# Altium PCB Sayma_AMC_RFSoC.PcbDoc (part 6 of 11)
Units mm, origin at the board's own origin, x right, y up, seen from the top; angles counter-clockwise.
Board outline 180.55 x 148.45 mm, 18 copper layers (Layer 1, Layer 2, Layer 3, Layer 4, Layer 5, Layer 6, Layer 7, Layer 8, Layer 9, Layer 10, Layer 11, Layer 12, Layer 13, Layer 14, Layer 15, Layer 16, Layer 17, Layer 18), stack 4.915 mm thick; 790 components, 796 nets, 6854 pads, 16 vias.
Unrouted connection lines stored in the file: 2880.
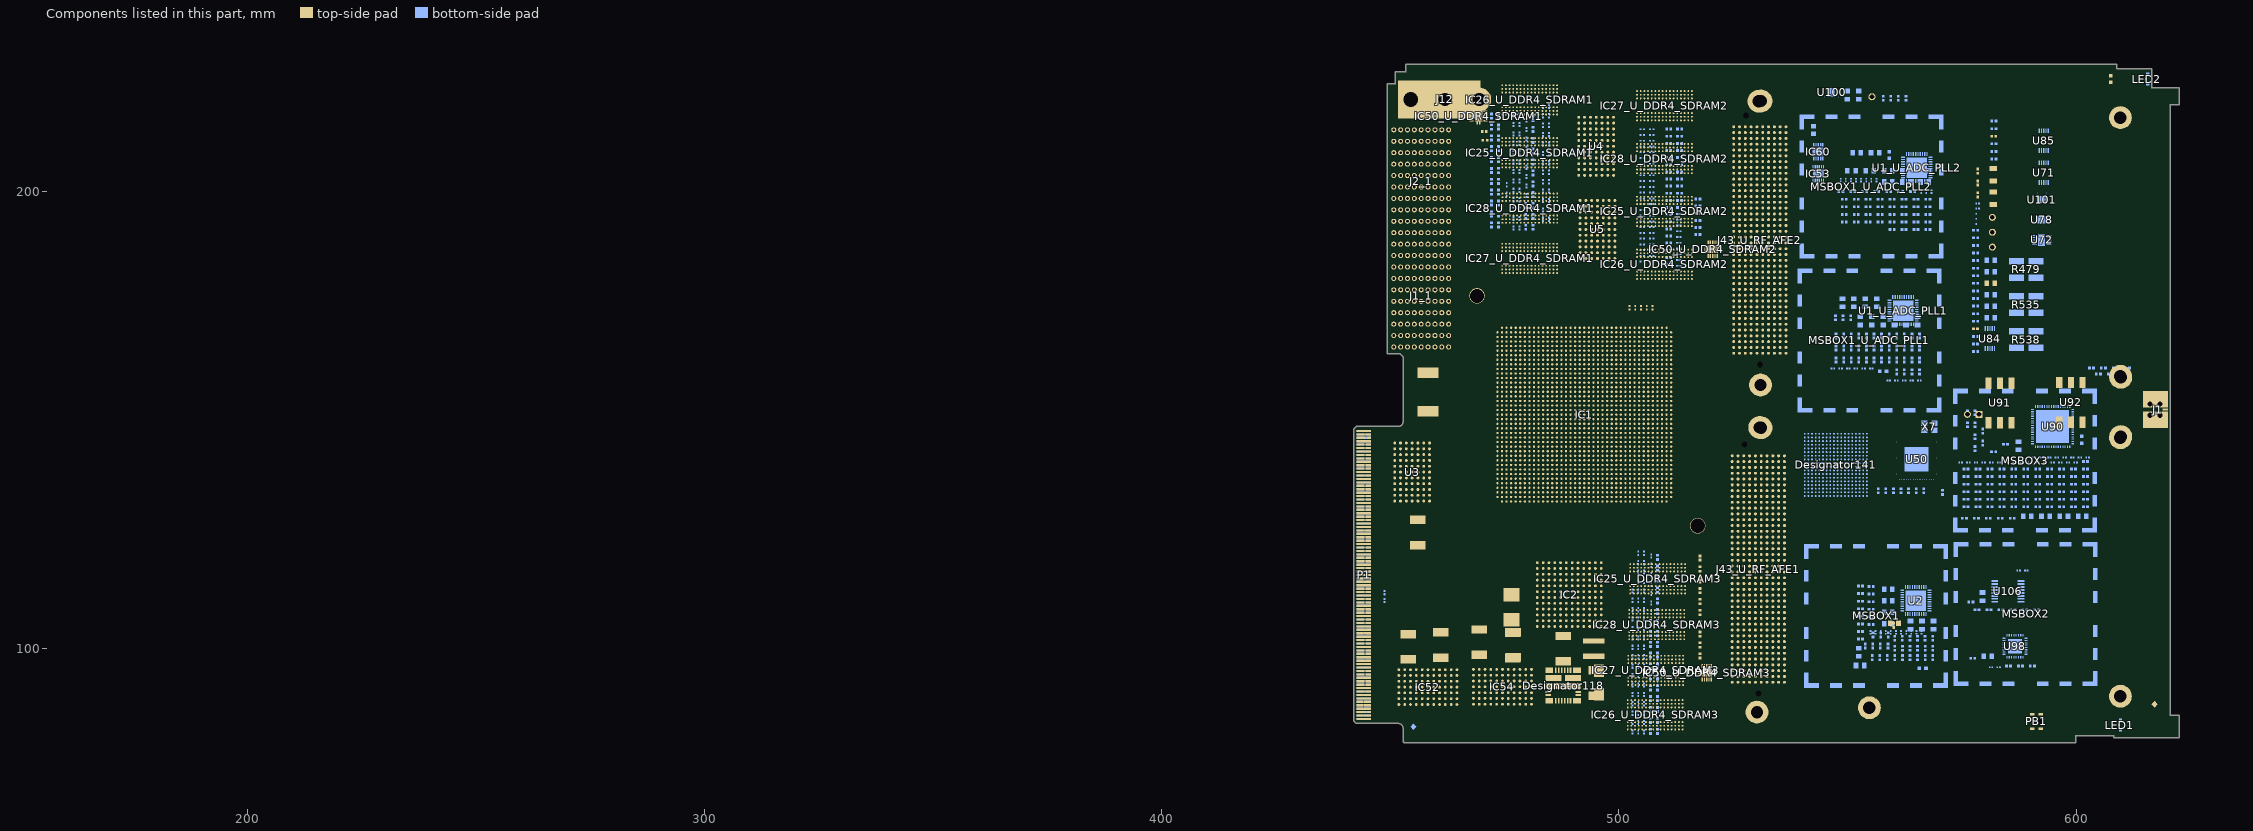
[diagram p17: the components of this part, seen from the top]

## Via types
v1: diameter 0.61, hole 0.3, Layer 1 to Layer 18, 11 vias
v2: diameter 0.51, hole 0.25, Layer 1 to Layer 18, 3 vias
v3: diameter 0.48, hole 0.25, Layer 1 to Layer 18, 2 vias

## Nets (pads, with @x,y where several pads share a name; then routed paths per layer and width w, separated by ;. In a path a pad name is that pad's centre, name@x,y a point inside that pad or via, vN(x,y) a via of type N, cw(c..) or ccw(c..) an arc to the next point about the centre after c; other vN are vias at no path point) (continued)
pads on no net: B1A.1 B1B.1 B2A.1 B2B.1 B3A.1 B3B.1 B4A.1 B4B.1 C755.1 C755.2 C819.1 C819.2 C1031.2 C1034.2 Designator110.1 Designator110.2 Designator118.1 Designator118.2 Designator118.3 Designator118.4 Designator118.5 Designator118.6 Designator118.7 Designator118.8 Designator118.9 Designator118.10 Designator118.11 Designator118.12 Designator118.13 Designator118.14 Designator118.15 Designator118.16 Designator118.17 Designator118.18 Designator118.19 Designator118.20 Designator118.21 Designator118.22 Designator118.23 Designator118.24 Designator119.1 Designator119.2 Designator120.1 Designator120.2 Designator121.1 Designator121.2 Designator122.1 Designator122.2 Designator123.1 Designator123.2 Designator141.A1 Designator141.A2 Designator141.A3 Designator141.A4 Designator141.A5 Designator141.A6 Designator141.A7 Designator141.A8 Designator141.A9 Designator141.A10 Designator141.A11 Designator141.A12 Designator141.A13 Designator141.A14 Designator141.A15 Designator141.A16 Designator141.A17 Designator141.A18 Designator141.B1 Designator141.B2 Designator141.B3 Designator141.B4 Designator141.B5 Designator141.B6 Designator141.B7 Designator141.B8 Designator141.B9 Designator141.B10 Designator141.B11 Designator141.B12 Designator141.B13 Designator141.B14 Designator141.B15 Designator141.B16 Designator141.B17 Designator141.B18 Designator141.C1 Designator141.C2 Designator141.C3 Designator141.C4 Designator141.C5 Designator141.C6 Designator141.C7 Designator141.C8 Designator141.C9 Designator141.C10 Designator141.C11 Designator141.C12 Designator141.C13 Designator141.C14 Designator141.C15 Designator141.C16 Designator141.C17 Designator141.C18 Designator141.D1 Designator141.D2 Designator141.D3 Designator141.D4 Designator141.D5 Designator141.D6 Designator141.D7 Designator141.D8 Designator141.D9 Designator141.D10 Designator141.D11 Designator141.D12 Designator141.D13 Designator141.D14 Designator141.D15 Designator141.D16 Designator141.D17 Designator141.D18 Designator141.E1 Designator141.E2 Designator141.E3 Designator141.E4 Designator141.E5 Designator141.E6 Designator141.E7 Designator141.E8 Designator141.E9 Designator141.E10 Designator141.E11 Designator141.E12 Designator141.E13 Designator141.E14 Designator141.E15 Designator141.E16 Designator141.E17 Designator141.E18 Designator141.F1 Designator141.F2 Designator141.F3 Designator141.F4 Designator141.F5 Designator141.F6 Designator141.F7 Designator141.F8 Designator141.F9 Designator141.F10 Designator141.F11 Designator141.F12 Designator141.F13 Designator141.F14 Designator141.F15 Designator141.F16 Designator141.F17 Designator141.F18 Designator141.G1 Designator141.G2 Designator141.G3 Designator141.G4 Designator141.G5 Designator141.G6 Designator141.G7 Designator141.G8 Designator141.G9 Designator141.G10 Designator141.G11 Designator141.G12 Designator141.G13 Designator141.G14 Designator141.G15 Designator141.G16 Designator141.G17 Designator141.G18 Designator141.H1 Designator141.H2 Designator141.H3 Designator141.H4 Designator141.H5 Designator141.H6 Designator141.H7 Designator141.H8 Designator141.H9 Designator141.H10 Designator141.H11 Designator141.H12 Designator141.H13 Designator141.H14 Designator141.H15 Designator141.H16 Designator141.H17 Designator141.H18 Designator141.J1 Designator141.J2 Designator141.J3 Designator141.J4 Designator141.J5 Designator141.J6 Designator141.J7 Designator141.J8 Designator141.J9 Designator141.J10 Designator141.J11 Designator141.J12 Designator141.J13 Designator141.J14 Designator141.J15 Designator141.J16 Designator141.J17 Designator141.J18 Designator141.K1 Designator141.K2 Designator141.K3 Designator141.K4 Designator141.K5 Designator141.K6 Designator141.K7 Designator141.K8 Designator141.K9 Designator141.K10 Designator141.K11 Designator141.K12 Designator141.K13 Designator141.K14 Designator141.K15 Designator141.K16 Designator141.K17 Designator141.K18 Designator141.L1 Designator141.L2 Designator141.L3 Designator141.L4 Designator141.L5 Designator141.L6 Designator141.L7 Designator141.L8 Designator141.L9 Designator141.L10 Designator141.L11 Designator141.L12 Designator141.L13 Designator141.L14 Designator141.L15 Designator141.L16 Designator141.L17 Designator141.L18 Designator141.M1 Designator141.M2 Designator141.M3 Designator141.M4 Designator141.M5 Designator141.M6 Designator141.M7 Designator141.M8 Designator141.M9 Designator141.M10 Designator141.M11 Designator141.M12 Designator141.M13 Designator141.M14 Designator141.M15 Designator141.M16 Designator141.M17 Designator141.M18 Designator141.N1 Designator141.N2 Designator141.N3 Designator141.N4 Designator141.N5 Designator141.N6 Designator141.N7 Designator141.N8 Designator141.N9 Designator141.N10 Designator141.N11 Designator141.N12 Designator141.N13 Designator141.N14 Designator141.N15 Designator141.N16 Designator141.N17 Designator141.N18 Designator141.P1 Designator141.P2 Designator141.P3 Designator141.P4 Designator141.P5 Designator141.P6 Designator141.P7 Designator141.P8 Designator141.P9 Designator141.P10 Designator141.P11 Designator141.P12 Designator141.P13 Designator141.P14 Designator141.P15 Designator141.P16 Designator141.P17 Designator141.P18 Designator141.R1 Designator141.R2 Designator141.R3 Designator141.R4 Designator141.R5 Designator141.R6 Designator141.R7 Designator141.R8 Designator141.R9 Designator141.R10 Designator141.R11 Designator141.R12 Designator141.R13 Designator141.R14 Designator141.R15 Designator141.R16 Designator141.R17 Designator141.R18 Designator141.T1 Designator141.T2 Designator141.T3 Designator141.T4 Designator141.T5 Designator141.T6 Designator141.T7 Designator141.T8 Designator141.T9 Designator141.T10 Designator141.T11 Designator141.T12 Designator141.T13 Designator141.T14 Designator141.T15 Designator141.T16 Designator141.T17 Designator141.T18 Designator141.U1 Designator141.U2 Designator141.U3 Designator141.U4 Designator141.U5 Designator141.U6 Designator141.U7 Designator141.U8 Designator141.U9 Designator141.U10 Designator141.U11 Designator141.U12 Designator141.U13 Designator141.U14 Designator141.U15 Designator141.U16 Designator141.U17 Designator141.U18 Designator141.V1 Designator141.V2 Designator141.V3 Designator141.V4 Designator141.V5 Designator141.V6 Designator141.V7 Designator141.V8 Designator141.V9 Designator141.V10 Designator141.V11 Designator141.V12 Designator141.V13 Designator141.V14 Designator141.V15 Designator141.V16 Designator141.V17 Designator141.V18 FTG3.1 FTG5.1 FTG7.1 IC1.A2 IC1.A3 IC1.A4 IC1.A5 IC1.A6 IC1.A7 IC1.A8 IC1.A9 IC1.A10 IC1.A11 IC1.A12 IC1.A13 IC1.A14 IC1.A15 IC1.A18 IC1.A20 IC1.A21 IC1.A23 IC1.A24 IC1.A25 IC1.A26 IC1.A27 IC1.A28 IC1.A30 IC1.A31 IC1.A32 IC1.A35 IC1.A36 IC1.A37 IC1.A38 IC1.AA1 IC1.AA2 IC1.AA3 IC1.AA4 IC1.AA5 IC1.AA6 IC1.AA7 IC1.AA8 IC1.AA9 IC1.AA10 IC1.AA11 IC1.AA12 IC1.AA13 IC1.AA14 IC1.AA15 IC1.AA16 IC1.AA17 IC1.AA18 IC1.AA19 IC1.AA20 IC1.AA21 IC1.AA22 IC1.AA23 IC1.AA24 IC1.AA25 IC1.AA26 IC1.AA27 IC1.AA28 IC1.AA29 IC1.AA30 IC1.AA31 IC1.AA32 IC1.AA33 IC1.AA34 IC1.AA35 IC1.AA36 IC1.AA37 IC1.AB3 IC1.AB6 IC1.AB10 IC1.AB11 IC1.AB12 IC1.AB13 IC1.AB14 IC1.AB15 IC1.AB16 IC1.AB17 IC1.AB18 IC1.AB19 IC1.AB20 IC1.AB21 IC1.AB22 IC1.AB23 IC1.AB24 IC1.AB25 IC1.AB26 IC1.AB27 IC1.AB28 IC1.AB29 IC1.AB30 IC1.AB31 IC1.AB32 IC1.AB33 IC1.AB34 IC1.AB35 IC1.AB36 IC1.AB37 IC1.AB38 IC1.AB39 IC1.AC1 IC1.AC2 IC1.AC3 IC1.AC4 IC1.AC5 IC1.AC6 IC1.AC8 IC1.AC10 IC1.AC11 IC1.AC12 IC1.AC13 IC1.AC14 IC1.AC15 IC1.AC16 IC1.AC17 IC1.AC18 IC1.AC19 IC1.AC20 IC1.AC21 IC1.AC22 IC1.AC23 IC1.AC24 IC1.AC25 IC1.AC26 IC1.AC27 IC1.AC28 IC1.AC29 IC1.AC30 IC1.AC31 IC1.AC32 IC1.AC33 IC1.AC34 IC1.AC35 IC1.AC36 IC1.AC37 IC1.AC38 IC1.AC39 IC1.AD3 IC1.AD6 IC1.AD8 IC1.AD10 IC1.AD11 IC1.AD12 IC1.AD13 IC1.AD14 IC1.AD15 IC1.AD16 IC1.AD17 IC1.AD18 IC1.AD19 IC1.AD20 IC1.AD21 IC1.AD22 IC1.AD23 IC1.AD24 IC1.AD25 IC1.AD26 IC1.AD27 IC1.AD28 IC1.AD29 IC1.AD30 IC1.AD31 IC1.AD32 IC1.AD33 IC1.AD34 IC1.AD35 IC1.AD36 IC1.AD37 IC1.AD38 IC1.AD39 IC1.AE1 IC1.AE2 IC1.AE3 IC1.AE4 IC1.AE5 IC1.AE6 IC1.AE8 IC1.AE10 IC1.AE11 IC1.AE12 IC1.AE13 IC1.AE14 IC1.AE15 IC1.AE16 IC1.AE17 IC1.AE18 IC1.AE19 IC1.AE20 IC1.AE21 IC1.AE22 IC1.AE23 IC1.AE24 IC1.AE25 IC1.AE26 IC1.AE27 IC1.AE28 IC1.AE29 IC1.AE30 IC1.AE31 IC1.AE32 IC1.AE33 IC1.AE34 IC1.AE35 IC1.AE36 IC1.AE37 IC1.AE38 IC1.AE39 IC1.AF3 IC1.AF6 IC1.AF8 IC1.AF10 IC1.AF11 IC1.AF12 IC1.AF13 IC1.AF14 IC1.AF15 IC1.AF16 IC1.AF17 IC1.AF18 IC1.AF19 IC1.AF20 IC1.AF21 IC1.AF22 IC1.AF23 IC1.AF24 IC1.AF25 IC1.AF26 IC1.AF27 IC1.AF28 IC1.AF29 IC1.AF30 IC1.AF31 IC1.AF33 IC1.AF34 IC1.AF35 IC1.AF36 IC1.AF37 IC1.AF38 IC1.AF39 IC1.AG1 IC1.AG2 IC1.AG3 IC1.AG4 IC1.AG5 IC1.AG6 IC1.AG8 IC1.AG10 IC1.AG11 IC1.AG12 IC1.AG14 IC1.AG16 IC1.AG17 IC1.AG18 IC1.AG20 IC1.AG21 IC1.AG22 IC1.AG23 IC1.AG24 IC1.AG25 IC1.AG26 IC1.AG27 IC1.AG28 IC1.AG29 IC1.AG31 IC1.AG33 IC1.AG34 IC1.AG35 IC1.AG36 IC1.AG37 IC1.AG38 IC1.AG39 IC1.AH3 IC1.AH6 IC1.AH8 IC1.AH10 IC1.AH11 IC1.AH12 IC1.AH13 IC1.AH14 IC1.AH15 IC1.AH16 IC1.AH17 IC1.AH18 IC1.AH19 IC1.AH20 IC1.AH21 IC1.AH22 IC1.AH23 IC1.AH24 IC1.AH25 IC1.AH26 IC1.AH27 IC1.AH28 IC1.AH29 IC1.AH31 IC1.AH32 IC1.AH33 IC1.AH34 IC1.AH35 IC1.AH36 IC1.AH37 IC1.AH38 IC1.AH39 IC1.AJ1 IC1.AJ2 IC1.AJ3 IC1.AJ6 IC1.AJ8 IC1.AJ10 IC1.AJ11 IC1.AJ12 IC1.AJ13 IC1.AJ14 IC1.AJ15 IC1.AJ16 IC1.AJ17 IC1.AJ19 IC1.AJ20 IC1.AJ21 IC1.AJ22 IC1.AJ23 IC1.AJ24 IC1.AJ25 IC1.AJ26 IC1.AJ27 IC1.AJ28 IC1.AJ29 IC1.AJ32 IC1.AJ33 IC1.AJ34 IC1.AJ35 IC1.AJ36 IC1.AJ37 IC1.AJ38 IC1.AJ39 IC1.AK3 IC1.AK6 IC1.AK7 IC1.AK8 IC1.AK9 IC1.AK10 IC1.AK11 IC1.AK12 IC1.AK14 IC1.AK15 IC1.AK16 IC1.AK18 IC1.AK19 IC1.AK20 IC1.AK21 IC1.AK22 IC1.AK25 IC1.AK29 IC1.AK30 IC1.AK33 IC1.AK34 IC1.AK35 IC1.AK36 IC1.AK37 IC1.AK38 IC1.AK39 IC1.AL1 IC1.AL2 IC1.AL3 IC1.AL6 IC1.AL7 IC1.AL8 IC1.AL9 IC1.AL10 IC1.AL11 IC1.AL12 IC1.AL13 IC1.AL14 IC1.AL16 IC1.AL18 IC1.AL19 IC1.AL20 IC1.AL21 IC1.AL22 IC1.AL23 IC1.AL24 IC1.AL26 IC1.AL27 IC1.AL28 IC1.AL30 IC1.AL31 IC1.AL32 IC1.AL33 IC1.AL34 IC1.AL35 IC1.AL36 IC1.AL37 IC1.AL38 IC1.AM3 IC1.AM4 IC1.AM5 IC1.AM6 IC1.AM7 IC1.AM8 IC1.AM9 IC1.AM10 IC1.AM11 IC1.AM13 IC1.AM14 IC1.AM15 IC1.AM16 IC1.AM18 IC1.AM19 IC1.AM21 IC1.AM22 IC1.AM23 IC1.AM24 IC1.AM26 IC1.AM27 IC1.AM31 IC1.AM32 IC1.AM33 IC1.AM36 IC1.AM37 IC1.AN1 IC1.AN2 IC1.AN3 IC1.AN4 IC1.AN5 IC1.AN6 IC1.AN7 IC1.AN8 IC1.AN9 IC1.AN10 IC1.AN11 IC1.AN12 IC1.AN13 IC1.AN14 IC1.AN16 IC1.AN17 IC1.AN18 IC1.AN19 IC1.AN20 IC1.AN21 IC1.AN22 IC1.AN24 IC1.AN29 IC1.AN30 IC1.AN31 IC1.AN32 IC1.AN34 IC1.AN37 IC1.AN39 IC1.AP3 IC1.AP4 IC1.AP5 IC1.AP6 IC1.AP7 IC1.AP9 IC1.AP10 IC1.AP11 IC1.AP12 IC1.AP13 IC1.AP14 IC1.AP15 IC1.AP16 IC1.AP17 IC1.AP18 IC1.AP19 IC1.AP20 IC1.AP21 IC1.AP22 IC1.AP27 IC1.AP28 IC1.AP30 IC1.AP31 IC1.AP32 IC1.AP35 IC1.AP36 IC1.AP37 IC1.AP38 IC1.AP39 IC1.AR1 IC1.AR2 IC1.AR3 IC1.AR4 IC1.AR5 IC1.AR6 IC1.AR7 IC1.AR8 IC1.AR9 IC1.AR10 IC1.AR11 IC1.AR12 IC1.AR13 IC1.AR14 IC1.AR15 IC1.AR16 IC1.AR18 IC1.AR19 IC1.AR20 IC1.AR21 IC1.AR22 IC1.AR25 IC1.AR26 IC1.AR28 IC1.AR29 IC1.AR30 IC1.AR31 IC1.AR32 IC1.AR35 IC1.AR36 IC1.AR39 IC1.AT1 IC1.AT2 IC1.AT3 IC1.AT4 IC1.AT5 IC1.AT6 IC1.AT7 IC1.AT8 IC1.AT9 IC1.AT10 IC1.AT11 IC1.AT12 IC1.AT13 IC1.AT15 IC1.AT16 IC1.AT17 IC1.AT18 IC1.AT19 IC1.AT20 IC1.AT21 IC1.AT22 IC1.AT23 IC1.AT24 IC1.AT26 IC1.AT27 IC1.AT28 IC1.AT29 IC1.AT33 IC1.AT34 IC1.AT35 IC1.AT36 IC1.AT38 IC1.AT39 IC1.AU1 IC1.AU2 IC1.AU3 IC1.AU4 IC1.AU5 IC1.AU6 IC1.AU7 IC1.AU8 IC1.AU10 IC1.AU11 IC1.AU12 IC1.AU13 IC1.AU14 IC1.AU15 IC1.AU16 IC1.AU17 IC1.AU18 IC1.AU19 IC1.AU20 IC1.AU21 IC1.AU23 IC1.AU24 IC1.AU26 IC1.AU30 IC1.AU31 IC1.AU32 IC1.AU34 IC1.AU36 IC1.AV1 IC1.AV2 IC1.AV3 IC1.AV4 IC1.AV5 IC1.AV6 IC1.AV7 IC1.AV8 IC1.AV9 IC1.AV11 IC1.AV12 IC1.AV13 IC1.AV14 IC1.AV15 IC1.AV16 IC1.AV17 IC1.AV18 IC1.AV19 IC1.AV20 IC1.AV21 IC1.AV24 IC1.AV28 IC1.AV29 IC1.AV30 IC1.AV31 IC1.AV32 IC1.AV34 IC1.AV36 IC1.AV37 IC1.AV39 IC1.AW2 IC1.AW3 IC1.AW4 IC1.AW5 IC1.AW6 IC1.AW7 IC1.AW8 IC1.AW9 IC1.AW10 IC1.AW11 IC1.AW12 IC1.AW13 IC1.AW14 IC1.AW15 IC1.AW16 IC1.AW17 IC1.AW18 IC1.AW20 IC1.AW21 IC1.AW22 IC1.AW27 IC1.AW28 IC1.AW29 IC1.AW30 IC1.AW32 IC1.AW37 IC1.AW38 IC1.B1 IC1.B2 IC1.B3 IC1.B4 IC1.B5 IC1.B6 IC1.B7 IC1.B8 IC1.B9 IC1.B10 IC1.B11 IC1.B12 IC1.B13 IC1.B14 IC1.B16 IC1.B20 IC1.B21 IC1.B23 IC1.B24 IC1.B25 IC1.B26 IC1.B27 IC1.B28 IC1.B30 IC1.B33 IC1.B34 IC1.B35 IC1.B38 IC1.B39 IC1.C3 IC1.C4 IC1.C5 IC1.C6 IC1.C7 IC1.C8 IC1.C9 IC1.C10 IC1.C11 IC1.C12 IC1.C13 IC1.C14 IC1.C17 IC1.C19 IC1.C20 IC1.C21 IC1.C22 IC1.C23 IC1.C24 IC1.C25 IC1.C26 IC1.C27 IC1.C28 IC1.C30 IC1.C31 IC1.C32 IC1.C35 IC1.C36 IC1.C37 IC1.D1 IC1.D2 IC1.D3 IC1.D4 IC1.D5 IC1.D6 IC1.D7 IC1.D8 IC1.D9 IC1.D10 IC1.D11 IC1.D12 IC1.D13 IC1.D14 IC1.D17 IC1.D18 IC1.D20 IC1.D21 IC1.D22 IC1.D25 IC1.D26 IC1.D27 IC1.D30 IC1.D33 IC1.D34 IC1.D35 IC1.D38 IC1.D39 IC1.E3 IC1.E4 IC1.E5 IC1.E6 IC1.E7 IC1.E8 IC1.E9 IC1.E10 IC1.E11 IC1.E14 IC1.E15 IC1.E16 IC1.E17 IC1.E18 IC1.E19 IC1.E20 IC1.E21 IC1.E22 IC1.E23 IC1.E24 IC1.E25 IC1.E26 IC1.E28 IC1.E30 IC1.E31 IC1.E32 IC1.E35 IC1.E36 IC1.E37 IC1.F1 IC1.F2 IC1.F3 IC1.F4 IC1.F5 IC1.F6 IC1.F8 IC1.F9 IC1.F10 IC1.F11 IC1.F12 IC1.F13 IC1.F14 IC1.F15 IC1.F16 IC1.F18 IC1.F19 IC1.F20 IC1.F21 IC1.F22 IC1.F23 IC1.F24 IC1.F25 IC1.F26 IC1.F27 IC1.F28 IC1.F30 IC1.F33 IC1.F34 IC1.F35 IC1.F38 IC1.F39 IC1.G3 IC1.G4 IC1.G5 IC1.G6 IC1.G7 IC1.G9 IC1.G10 IC1.G11 IC1.G12 IC1.G13 IC1.G14 IC1.G15 IC1.G16 IC1.G18 IC1.G19 IC1.G20 IC1.G21 IC1.G22 IC1.G23 IC1.G24 IC1.G25 IC1.G26 IC1.G27 IC1.G28 IC1.G29 IC1.G30 IC1.G31 IC1.G32 IC1.G35 IC1.G36 IC1.G37 IC1.H1 IC1.H2 IC1.H3 IC1.H5 IC1.H6 IC1.H7 IC1.H9 IC1.H10 IC1.H11 IC1.H12 IC1.H13 IC1.H14 IC1.H15 IC1.H16 IC1.H17 IC1.H18 IC1.H19 IC1.H21 IC1.H22 IC1.H23 IC1.H24 IC1.H25 IC1.H26 IC1.H27 IC1.H28 IC1.H29 IC1.H30 IC1.H33 IC1.H34 IC1.H35 IC1.H38 IC1.H39 IC1.J3 IC1.J5 IC1.J6 IC1.J7 IC1.J8 IC1.J9 IC1.J10 IC1.J11 IC1.J12 IC1.J15 IC1.J16 IC1.J17 IC1.J21 IC1.J22 IC1.J23 IC1.J24 IC1.J25 IC1.J26 IC1.J27 IC1.J28 IC1.J29 IC1.J30 IC1.J31 IC1.J32 IC1.J35 IC1.J36 IC1.J37 IC1.K1 IC1.K2 IC1.K3 IC1.K5 IC1.K6 IC1.K7 IC1.K8 IC1.K9 IC1.K10 IC1.K11 IC1.K12 IC1.K13 IC1.K15 IC1.K16 IC1.K17 IC1.K20 IC1.K24 IC1.K25 IC1.K26 IC1.K27 IC1.K28 IC1.K29 IC1.K30 IC1.K31 IC1.K32 IC1.K33 IC1.K34 IC1.K35 IC1.K38 IC1.K39 IC1.L3 IC1.L5 IC1.L8 IC1.L9 IC1.L10 IC1.L11 IC1.L12 IC1.L13 IC1.L14 IC1.L15 IC1.L18 IC1.L19 IC1.L20 IC1.L21 IC1.L22 IC1.L23 IC1.L24 IC1.L25 IC1.L26 IC1.L27 IC1.L28 IC1.L29 IC1.L30 IC1.L31 IC1.L32 IC1.L35 IC1.L36 IC1.L37 IC1.M1 IC1.M2 IC1.M3 IC1.M4 IC1.M5 IC1.M6 IC1.M8 IC1.M10 IC1.M11 IC1.M12 IC1.M13 IC1.M14 IC1.M15 IC1.M16 IC1.M17 IC1.M18 IC1.M19 IC1.M20 IC1.M21 IC1.M22 IC1.M23 IC1.M24 IC1.M25 IC1.M26 IC1.M27 IC1.M28 IC1.M29 IC1.M30 IC1.M31 IC1.M32 IC1.M33 IC1.M34 IC1.M35 IC1.M38 IC1.M39 IC1.N3 IC1.N6 IC1.N8 IC1.N10 IC1.N11 IC1.N12 IC1.N13 IC1.N14 IC1.N15 IC1.N17 IC1.N19 IC1.N20 IC1.N21 IC1.N22 IC1.N23 IC1.N24 IC1.N25 IC1.N26 IC1.N27 IC1.N28 IC1.N30 IC1.N31 IC1.N32 IC1.N35 IC1.N36 IC1.N37 IC1.P1 IC1.P2 IC1.P3 IC1.P4 IC1.P5 IC1.P6 IC1.P8 IC1.P10 IC1.P11 IC1.P12 IC1.P13 IC1.P14 IC1.P15 IC1.P16 IC1.P17 IC1.P18 IC1.P19 IC1.P20 IC1.P21 IC1.P22 IC1.P23 IC1.P24 IC1.P25 IC1.P26 IC1.P27 IC1.P30 IC1.P31 IC1.P32 IC1.P33 IC1.P34 IC1.P37 IC1.P38 IC1.P39 IC1.R3 IC1.R6 IC1.R8 IC1.R10 IC1.R11 IC1.R12 IC1.R13 IC1.R14 IC1.R15 IC1.R16 IC1.R17 IC1.R18 IC1.R19 IC1.R20 IC1.R21 IC1.R22 IC1.R23 IC1.R24 IC1.R25 IC1.R26 IC1.R30 IC1.R31 IC1.R32 IC1.R35 IC1.R36 IC1.R37 IC1.T1 IC1.T2 IC1.T3 IC1.T4 IC1.T5 IC1.T6 IC1.T8 IC1.T10 IC1.T11 IC1.T12 IC1.T13 IC1.T14 IC1.T15 IC1.T16 IC1.T17 IC1.T18 IC1.T19 IC1.T20 IC1.T21 IC1.T22 IC1.T23 IC1.T24 IC1.T25 IC1.T27 IC1.T28 IC1.T30 IC1.T31 IC1.T32 IC1.T33 IC1.T34 IC1.T37 IC1.T38 IC1.T39 IC1.U3 IC1.U6 IC1.U8 IC1.U10 IC1.U11 IC1.U12 IC1.U13 IC1.U14 IC1.U15 IC1.U16 IC1.U17 IC1.U18 IC1.U19 IC1.U20 IC1.U21 IC1.U22 IC1.U23 IC1.U24 IC1.U25 IC1.U26 IC1.U30 IC1.U31 IC1.U32 IC1.U33 IC1.U34 IC1.U35 IC1.U36 IC1.U37 IC1.V1 IC1.V2 IC1.V3 IC1.V4 IC1.V5 IC1.V6 IC1.V7 IC1.V8 IC1.V10 IC1.V11 IC1.V12 IC1.V13 IC1.V14 IC1.V15 IC1.V16 IC1.V17 IC1.V18 IC1.V19 IC1.V20 IC1.V21 IC1.V22 IC1.V23 IC1.V24 IC1.V25 IC1.V26 IC1.V30 IC1.V31 IC1.V32 IC1.V33 IC1.V34 IC1.V37 IC1.V38 IC1.V39 IC1.W1 IC1.W2 IC1.W3 IC1.W4 IC1.W5 IC1.W6 IC1.W7 IC1.W10 IC1.W11 IC1.W12 IC1.W13 IC1.W14 IC1.W15 IC1.W16 IC1.W17 IC1.W18 IC1.W19 IC1.W20 IC1.W21 IC1.W22 IC1.W23 IC1.W24 IC1.W25 IC1.W27 IC1.W30 IC1.W31 IC1.W32 IC1.W33 IC1.W34 IC1.W35 IC1.W36 IC1.W37 IC1.Y3 IC1.Y6 IC1.Y7 IC1.Y8 IC1.Y9 IC1.Y10 IC1.Y11 IC1.Y12 IC1.Y13 IC1.Y14 IC1.Y15 IC1.Y16 IC1.Y17 IC1.Y18 IC1.Y19 IC1.Y20 IC1.Y21 IC1.Y22 IC1.Y23 IC1.Y24 IC1.Y25 IC1.Y26 IC1.Y30 IC1.Y31 IC1.Y32 IC1.Y33 IC1.Y34 IC1.Y37 IC1.Y38 IC1.Y39 IC2.A1 IC2.A2 IC2.A3 IC2.A4 IC2.A5 IC2.A6 IC2.A7 IC2.A8 IC2.A9 IC2.A10 IC2.A11 IC2.A12 IC2.B1 IC2.B2 IC2.B3 IC2.B4 IC2.B5 IC2.B6 IC2.B7 IC2.B8 IC2.B9 IC2.B10 IC2.B11 IC2.B12 IC2.C1 IC2.C2 IC2.C3 IC2.C4 IC2.C5 IC2.C6 IC2.C7 IC2.C8 IC2.C9 IC2.C10 IC2.C11 IC2.C12 IC2.D1 IC2.D2 IC2.D3 IC2.D4 IC2.D5 IC2.D6 IC2.D7 IC2.D8 IC2.D9 IC2.D10 IC2.D11 IC2.D12 IC2.E1 IC2.E2 IC2.E3 IC2.E4 IC2.E5 IC2.E6 IC2.E7 IC2.E8 IC2.E9 IC2.E10 IC2.E11 IC2.E12 IC2.F1 IC2.F2 IC2.F3 IC2.F4 IC2.F5 IC2.F6 IC2.F7 IC2.F8 IC2.F9 IC2.F10 IC2.F11 IC2.F12 IC2.G1 IC2.G2 IC2.G3 IC2.G4 IC2.G5 IC2.G6 IC2.G7 IC2.G8 IC2.G9 IC2.G10 IC2.G11 IC2.G12 IC2.H1 IC2.H2 IC2.H3 IC2.H4 IC2.H5 IC2.H6 IC2.H7 IC2.H8 IC2.H9 IC2.H10 IC2.H11 IC2.H12 IC2.J1 IC2.J2 IC2.J3 IC2.J4 IC2.J5 IC2.J6 IC2.J7 IC2.J8 IC2.J9 IC2.J10 IC2.J11 IC2.J12 IC2.K1 IC2.K2 IC2.K3 IC2.K4 IC2.K5 IC2.K6 IC2.K7 IC2.K8 IC2.K9 IC2.K10 IC2.K11 IC2.K12 IC2.L1 IC2.L2 IC2.L3 IC2.L4 IC2.L5 IC2.L6 IC2.L7 IC2.L8 IC2.L9 IC2.L10 IC2.L11 IC2.L12 IC2.M1 IC2.M2 IC2.M3 IC2.M4 IC2.M5 IC2.M6 IC2.M7 IC2.M8 IC2.M9 IC2.M10 IC2.M11 IC2.M12 IC25_U_DDR4_SDRAM1.A7 IC25_U_DDR4_SDRAM1.B7 IC25_U_DDR4_SDRAM1.E2 IC25_U_DDR4_SDRAM1.E7 IC25_U_DDR4_SDRAM1.F3 IC25_U_DDR4_SDRAM1.G3 IC25_U_DDR4_SDRAM1.K2 IC25_U_DDR4_SDRAM1.K3 IC25_U_DDR4_SDRAM1.K7 IC25_U_DDR4_SDRAM1.K8 IC25_U_DDR4_SDRAM1.L2 IC25_U_DDR4_SDRAM1.L3 IC25_U_DDR4_SDRAM1.L7 IC25_U_DDR4_SDRAM1.L8 IC25_U_DDR4_SDRAM1.M2 IC25_U_DDR4_SDRAM1.M8 IC25_U_DDR4_SDRAM1.N2 IC25_U_DDR4_SDRAM1.N8 IC25_U_DDR4_SDRAM1.P1 IC25_U_DDR4_SDRAM1.P3 IC25_U_DDR4_SDRAM1.P7 IC25_U_DDR4_SDRAM1.P9 IC25_U_DDR4_SDRAM1.R3 IC25_U_DDR4_SDRAM1.T3 IC25_U_DDR4_SDRAM1.T7 IC25_U_DDR4_SDRAM2.A3 IC25_U_DDR4_SDRAM2.A7 IC25_U_DDR4_SDRAM2.B7 IC25_U_DDR4_SDRAM2.B8 IC25_U_DDR4_SDRAM2.C2 IC25_U_DDR4_SDRAM2.C3 IC25_U_DDR4_SDRAM2.C7 IC25_U_DDR4_SDRAM2.C8 IC25_U_DDR4_SDRAM2.D3 IC25_U_DDR4_SDRAM2.D7 IC25_U_DDR4_SDRAM2.F3 IC25_U_DDR4_SDRAM2.F7 IC25_U_DDR4_SDRAM2.G2 IC25_U_DDR4_SDRAM2.G3 IC25_U_DDR4_SDRAM2.H2 IC25_U_DDR4_SDRAM2.H3 IC25_U_DDR4_SDRAM2.H7 IC25_U_DDR4_SDRAM2.H8 IC25_U_DDR4_SDRAM2.J3 IC25_U_DDR4_SDRAM2.J7 IC25_U_DDR4_SDRAM2.K2 IC25_U_DDR4_SDRAM2.K3 IC25_U_DDR4_SDRAM2.K7 IC25_U_DDR4_SDRAM2.K8 IC25_U_DDR4_SDRAM2.L2 IC25_U_DDR4_SDRAM2.L3 IC25_U_DDR4_SDRAM2.L7 IC25_U_DDR4_SDRAM2.L8 IC25_U_DDR4_SDRAM2.M2 IC25_U_DDR4_SDRAM2.M3 IC25_U_DDR4_SDRAM2.M7 IC25_U_DDR4_SDRAM2.M8 IC25_U_DDR4_SDRAM2.N2 IC25_U_DDR4_SDRAM2.N3 IC25_U_DDR4_SDRAM2.N7 IC25_U_DDR4_SDRAM2.N8 IC25_U_DDR4_SDRAM2.P1 IC25_U_DDR4_SDRAM2.P2 IC25_U_DDR4_SDRAM2.P8 IC25_U_DDR4_SDRAM2.P9 IC25_U_DDR4_SDRAM2.R2 IC25_U_DDR4_SDRAM2.R7 IC25_U_DDR4_SDRAM2.R8 IC25_U_DDR4_SDRAM2.T2 IC25_U_DDR4_SDRAM2.T3 IC25_U_DDR4_SDRAM2.T7 IC25_U_DDR4_SDRAM3.A3 IC25_U_DDR4_SDRAM3.B8 IC25_U_DDR4_SDRAM3.C2 IC25_U_DDR4_SDRAM3.C3 IC25_U_DDR4_SDRAM3.C7 IC25_U_DDR4_SDRAM3.C8 IC25_U_DDR4_SDRAM3.D3 IC25_U_DDR4_SDRAM3.D7 IC25_U_DDR4_SDRAM3.E2 IC25_U_DDR4_SDRAM3.E7 IC25_U_DDR4_SDRAM3.F7 IC25_U_DDR4_SDRAM3.G2 IC25_U_DDR4_SDRAM3.H2 IC25_U_DDR4_SDRAM3.H3 IC25_U_DDR4_SDRAM3.H7 IC25_U_DDR4_SDRAM3.H8 IC25_U_DDR4_SDRAM3.J3 IC25_U_DDR4_SDRAM3.J7 IC25_U_DDR4_SDRAM3.M3 IC25_U_DDR4_SDRAM3.M7 IC25_U_DDR4_SDRAM3.N3 IC25_U_DDR4_SDRAM3.N7 IC25_U_DDR4_SDRAM3.P2 IC25_U_DDR4_SDRAM3.P3 IC25_U_DDR4_SDRAM3.P7 IC25_U_DDR4_SDRAM3.P8 IC25_U_DDR4_SDRAM3.R2 IC25_U_DDR4_SDRAM3.R3 IC25_U_DDR4_SDRAM3.R7 IC25_U_DDR4_SDRAM3.R8 IC25_U_DDR4_SDRAM3.T2 IC25_U_DDR4_SDRAM3.T7 IC26_U_DDR4_SDRAM1.A7 IC26_U_DDR4_SDRAM1.B7 IC26_U_DDR4_SDRAM1.E2 IC26_U_DDR4_SDRAM1.E7 IC26_U_DDR4_SDRAM1.F3 IC26_U_DDR4_SDRAM1.G3 IC26_U_DDR4_SDRAM1.K2 IC26_U_DDR4_SDRAM1.K3 IC26_U_DDR4_SDRAM1.K7 IC26_U_DDR4_SDRAM1.K8 IC26_U_DDR4_SDRAM1.L2 IC26_U_DDR4_SDRAM1.L3 IC26_U_DDR4_SDRAM1.L7 IC26_U_DDR4_SDRAM1.L8 IC26_U_DDR4_SDRAM1.M2 IC26_U_DDR4_SDRAM1.M8 IC26_U_DDR4_SDRAM1.N2 IC26_U_DDR4_SDRAM1.N8 